# KiCad board Intro-to-CAD-2026 Shaina and Paola.kicad_pcb
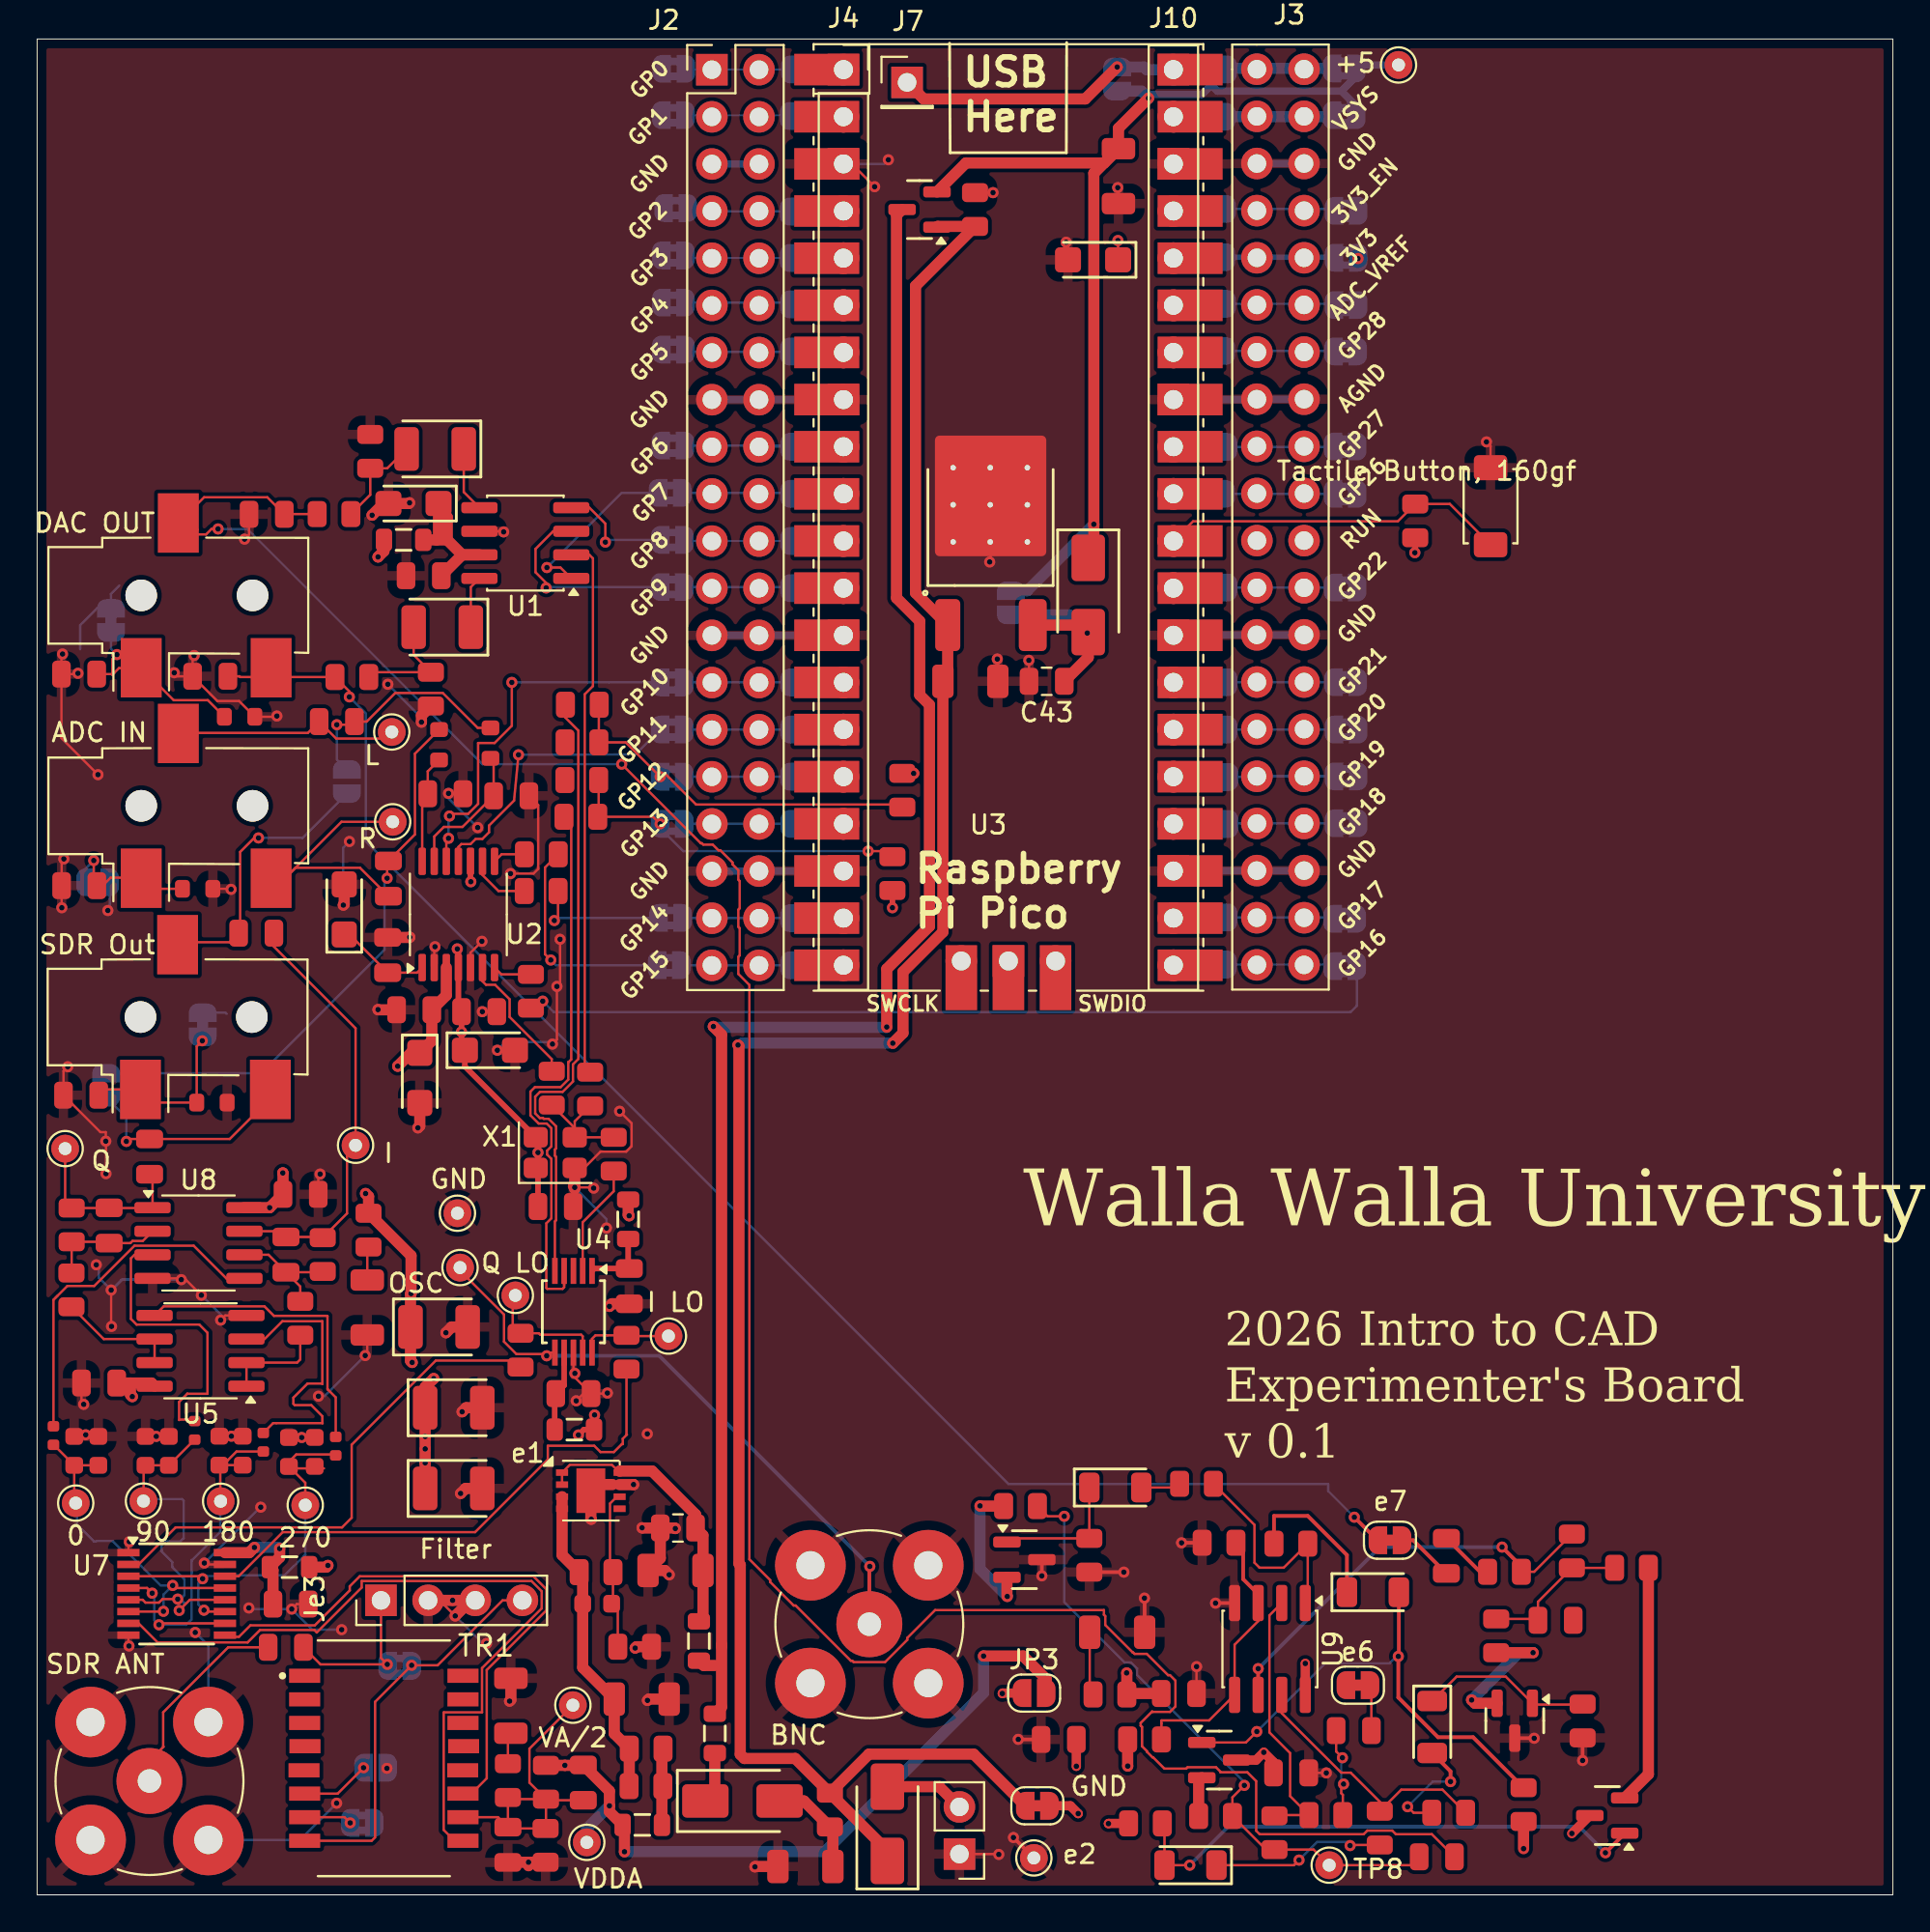
[diagram p0: board, top side]
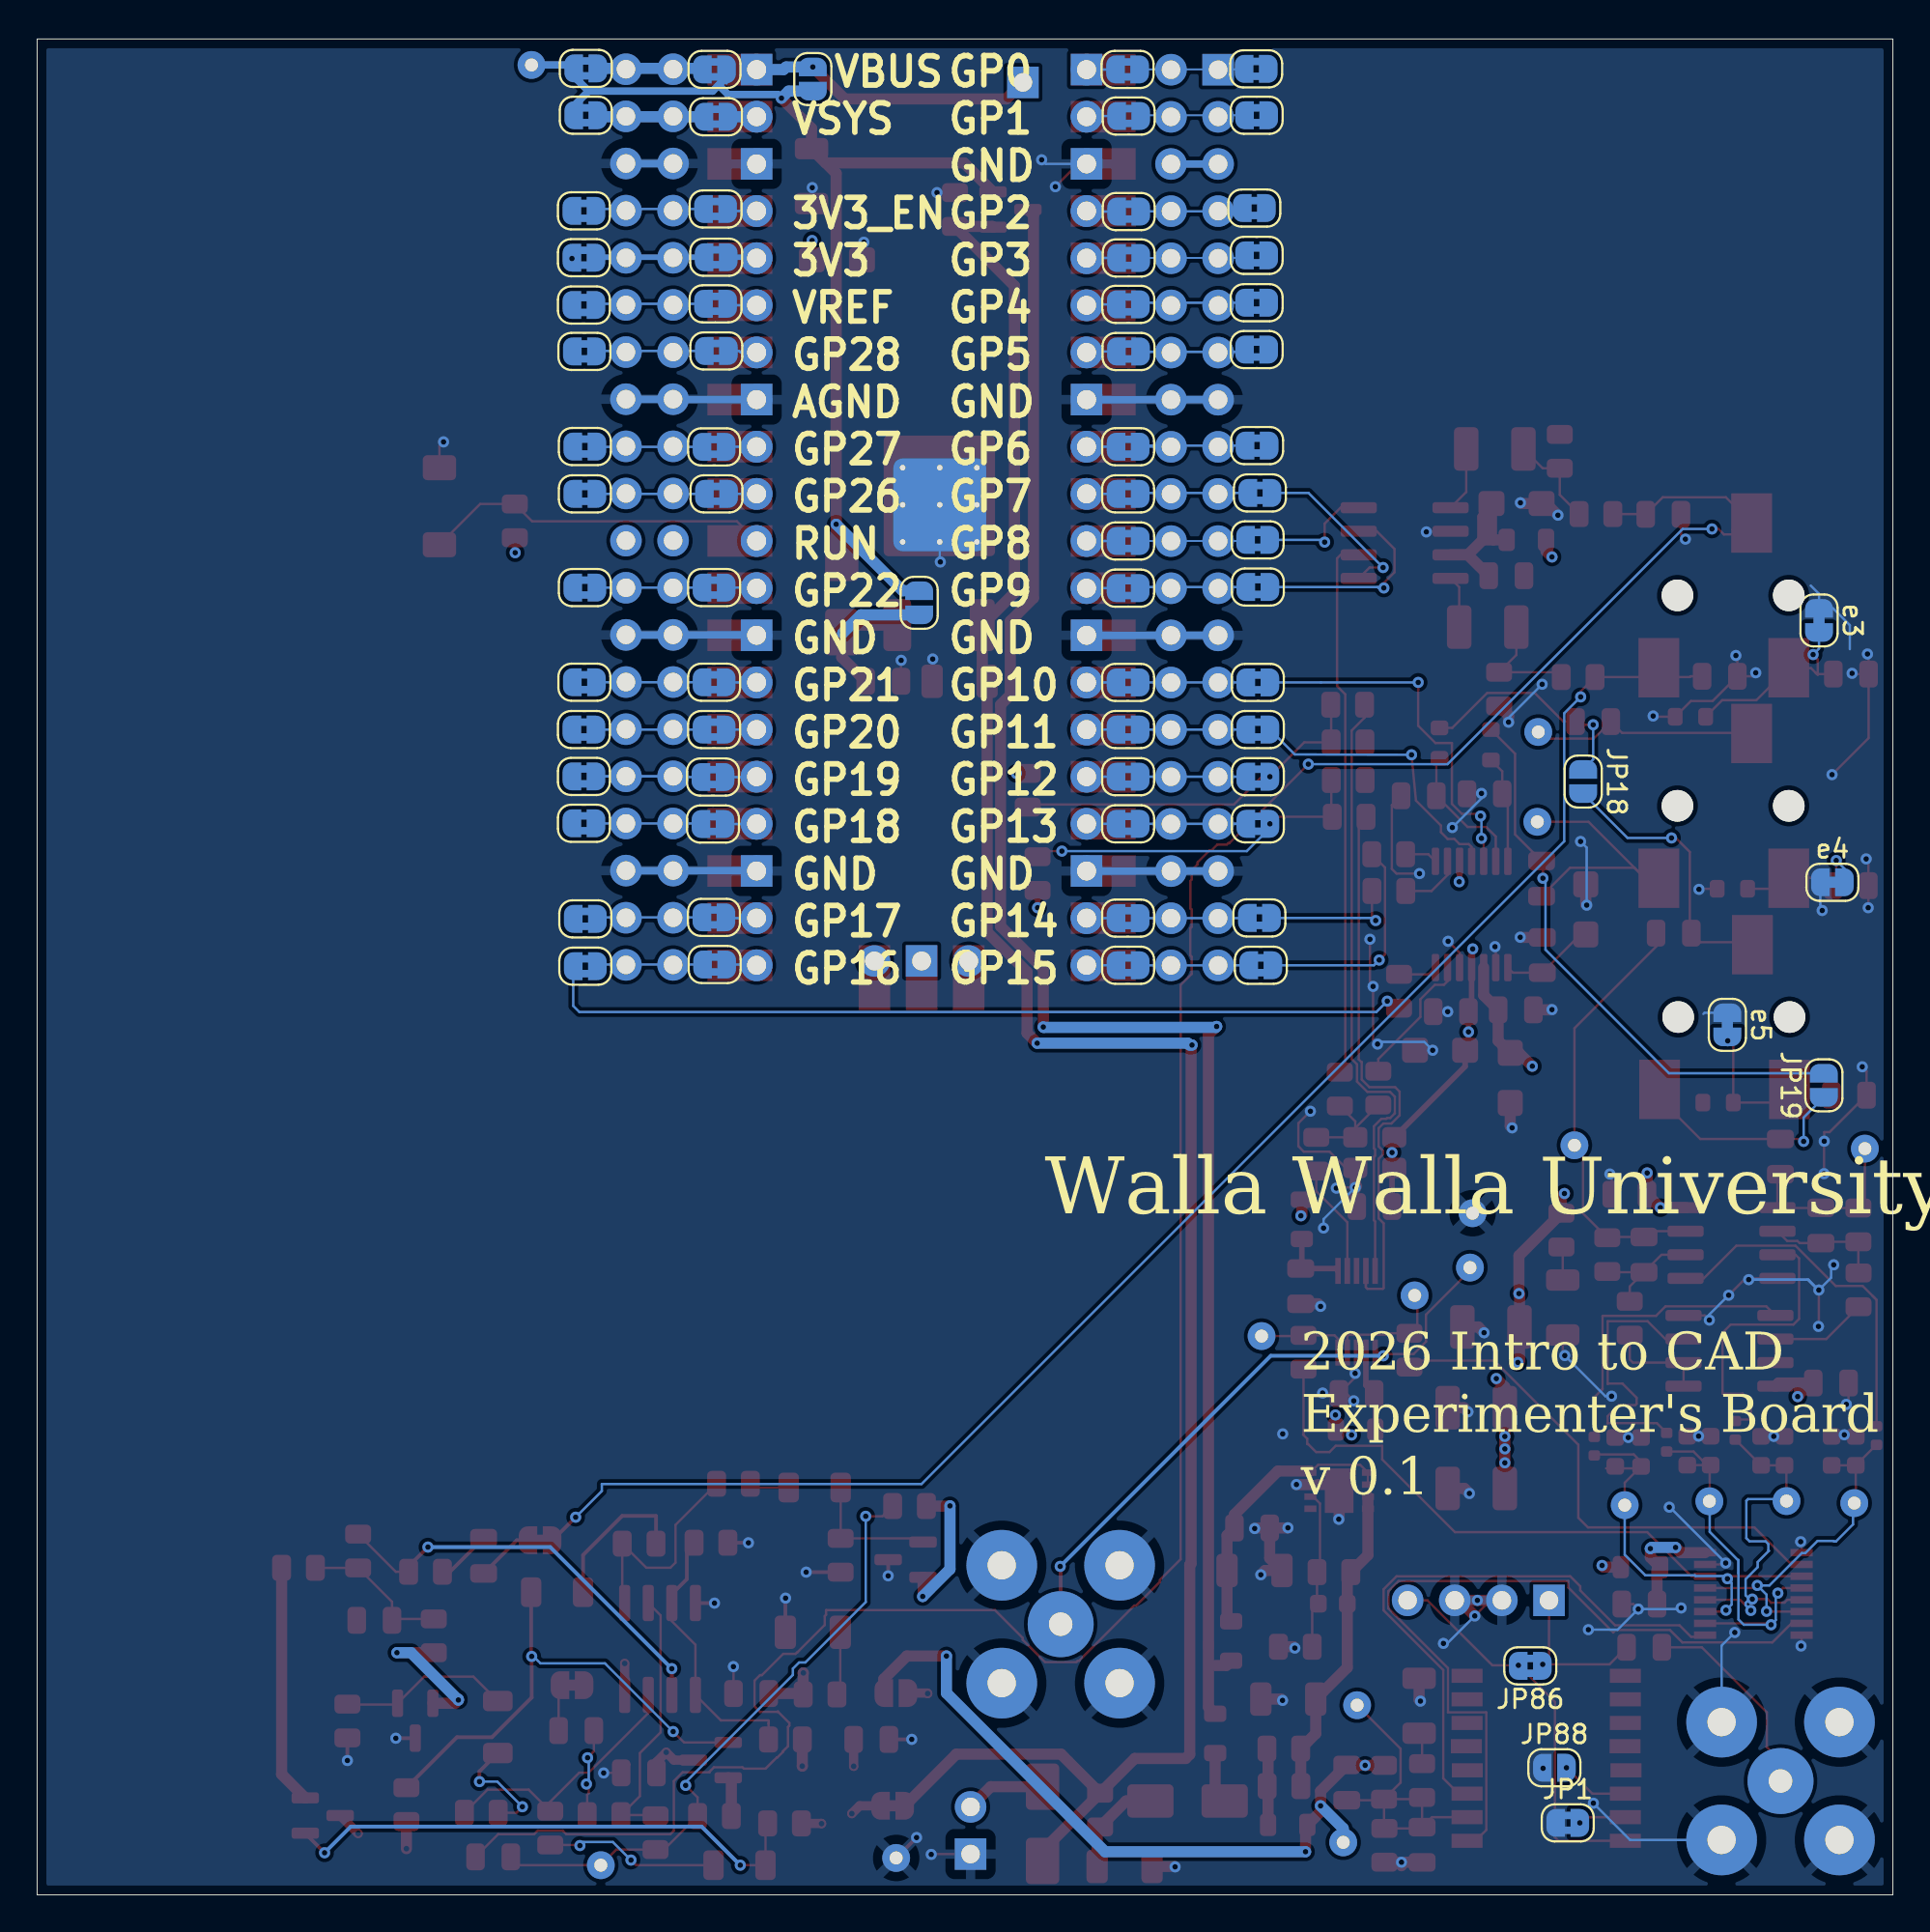
[diagram p1: board, bottom side, seen from below]

Outline 100 x 100 mm; copper layers: Top, In1.Cu, In2.Cu, Bottom. Coordinates in mm from the lower left corner of the outline.
Outline path: rectangle 0,100 100,0
Stack: Top 0.035mm / dielectric 0.1mm FR4 er 4.5 / In1.Cu 0.035mm / dielectric 1.24mm FR4 er 4.5 / In2.Cu 0.035mm / dielectric 0.1mm FR4 er 4.5 / Bottom 0.035mm

## Placement (name value [footprint] x y rotation side)
C1  100nF  [C_0805]  13.4 13.34 0 top
C2  10uF  [C_1206]  58.27 92.61 270 top
C3  1uF  [C_0805]  16.15 63.22 180 top
C4  1uF  [C_0805]  18.93 54.76 270 top
C5  10uF  [C_1206]  34.4 17.48 180 top
C6  2.2nF  [C_0805]  25.55 59.22 0 top
C7  2.2nF  [C_0805]  22 59.33 0 top
C8  10uF  [C_CASE-A-3216-18(mm)]  24.4 45.51 0 top
C9  10uF  [C_CASE-A-3216-18(mm)]  20.62 44.02 270 top
C10  100nF  [C_0805]  23.82 47.59 180 top
C11  100nF  [C_0805]  18.89 50.64 270 top
C12  100nF  [C_0805]  20.83 71.08 180 top
C13  100nF  [C_0805]  20.32 47.69 0 top
C14  10nF  [C_0603]  2 23.92 90 top
C15  100nF  [C_0805]  31.91 32.8 90 top
C16  10nF  [C_0603]  3.3 23.92 90 top
C17  100uF  [C_CASE-B-3528-21(mm)]  21.66 30.6 0 top
C18  100pF  [C_0805]  13.41 34.5 90 top
C19  10nF  [C_0603]  5.84 23.92 90 top
C20  100nF  [C_0805]  25.37 2.7 90 top
C21  1uF  [C_0805]  6.06 39.78 270 top
C22  10nF  [C_0603]  11.08 23.93 90 top
C23  100nF  [C_0805]  13.66 15.67 180 top
C24  10nF  [C_0603]  14.96 23.87 90 top  (not fitted)
C25  10nF  [C_0603]  7.1 23.92 90 top  (not fitted)
C26  10nF  [C_0603]  9.82 23.93 90 top  (not fitted)
C27  10nF  [C_0603]  13.57 23.86 90 top  (not fitted)
C28  100pF  [C_0805]  3.88 36.07 90 top
C29  1uF  [C_0805]  11.81 51.82 180 top
C30  100nF  [C_0805]  14.2 37.75 180 top
C31  100nF  [C_0805]  3.34 27.58 0 top
C32  100nF  [C_0805]  29.43 6.05 270 top
C33  10uF  [C_1206]  17.79 31.65 270 top
C34  10uF  [C_1206]  25.53 10.19 90 top
C35  10uF  [C_1206]  32.58 10.55 0 top
C36  100uF  [C_CASE-B-3528-21(mm)]  22.45 26.25 0 top
C37  100uF  [C_CASE-B-3528-21(mm)]  22.45 21.9 0 top
C38  100nF  [C_0805]  28.9 27.01 180 top
C39  10uF  [C_CASE-A-3216-18(mm)]  56.9 88.1 180 top
C40  4.7pF  [C_0603]  30.18 15.69 0 top
C41  10uF  [C_1206]  50.29 65.39 0 top
C42  10uF  [C_1206]  41.4 1.53 180 top
C43  0.1u  [C_0805_2012Metric]  54.4 65.39 180 top
C44  10uF  [C_CASE-A-3216-18(mm)]  16.55 53.1 90 top
C45  10uF  [C_CASE-A-3216-18(mm)]  20.28 74.97 180 top
C46  100uF  [C_CASE-B-3528-21(mm)]  21.45 77.91 180 top
C47  100uF  [C_CASE-B-3528-21(mm)]  21.83 68.31 180 top
C48  100nF  [C_0805]  27.94 37.09 0 top
C49  2.2nF  [C_0805]  12.37 74.39 180 top
C50  100nF  [C_0805]  2.26 65.78 0 top
C51  100nF  [C_0805]  2.27 54.38 0 top
C52  100nF  [C_0805]  2.37 43.09 0 top
C53  2.2nF  [C_0805]  9.33 65.66 180 top
C54  10uF  [C_1206]  58.2 14.15 0 top
C55  0.1u  [C_0805_2012Metric]  34.53 19.77 180 top
C56  100nF  [C_0805]  61.52 10.85 180 top
C57  10uF  [C_0805]  70.95 8.85 180 top
C58  10uF  [C_0805]  75.94 18.27 90 top
C59  10uF  [C_0805]  75.42 2.05 0 top
C60  10uF  [C_0805]  81.83 14.79 0 top
C61  100nF  [C_0805]  67.58 6.57 0 top
C63  10uF  [C_0805]  55.05 8.37 180 top
D1  SS14  [D_SMA]  38.01 5.06 0 top
D2  SS14  [D_SMA]  45.82 3.83 90 top
D3  SS14  [D_SMA]  56.64 70.04 270 top
D4  SM4007PL  [D_SOD-123FL]  71.98 16.31 0 top
D5  SM4007PL  [D_SOD-123FL]  58.1 21.95 0 top
D6  SM4007PL  [D_SOD-123FL]  62.15 1.6 180 top
D7  SM4007PL  [D_SOD-123FL]  75.17 9.04 270 top
e1  SGM2205-ADJXTDB8G/TR  [DFN-8-1EP_3x3mm_P0.65mm_EP1.55x2.4mm]  29.84 21.78 0 top
e2  ~  [SolderJumper-2_P1.3mm_Bridged_RoundedPad1.0x1.5mm]  53.9 4.8 180 top
e3  Groundloop_Insurance  [SolderJumper-2_P1.3mm_Bridged_RoundedPad1.0x1.5mm]  3.98 68.67 270 bottom
e4  Groundloop_Insurance  [SolderJumper-2_P1.3mm_Bridged_RoundedPad1.0x1.5mm]  3.26 54.56 180 bottom
e5  Groundloop_Insurance  [SolderJumper-2_P1.3mm_Bridged_RoundedPad1.0x1.5mm]  8.92 46.88 270 bottom
e6  ~  [SolderJumper-2_P1.3mm_Bridged_RoundedPad1.0x1.5mm]  71.17 11.3 0 top
e7  ~  [SolderJumper-2_P1.3mm_Bridged_RoundedPad1.0x1.5mm]  72.9 19.11 180 top
FB1  ~  [FB_0805]  28.95 25.07 180 top
FB2  ~  [FB_0805]  36.52 8.7 270 top
FB3  ~  [FB_0805]  13.6 17.66 0 top
FB4  ~  [FB_0805]  31.85 36.4 90 top
FB5  ~  [FB_0805]  32.61 3.77 180 top
FB6  ~  [FB_0805]  35.66 13.68 90 top
FB7  ~  [FB_0805]  19.75 73.01 180 top
J1  ADC IN  [Jack_3.5mm_CUI_SJ-3523-SMT_Horizontal]  9.61 58.68 90 top
J2  Conn_02x20_Counter_Clockwise  [PinSocket_2x20_P2.54mm_Vertical_pins1-20]  39.74 98.34 0 top  (not fitted)
J3  Conn_02x20_Counter_Clockwise  [PinSocket_2x20_P2.54mm_Vertical_Counterclockwise_pins21-40]  69.11 98.37 0 top  (not fitted)
J4  Conn_01x20_Socket  [PinSocket_1x20_P2.54mm_Vertical]  43.45 98.35 0 top  (not fitted)
J5  Conn_01x02  [PinHeader_1x02_P2.54mm_Vertical]  49.7 2.2 180 top  (not fitted)
J7  Conn_01x01_Pin  [PinHeader_1x01_P2.54mm_Vertical]  46.88 97.66 0 top  (not fitted)
J8  BNC  [BNC_TEConnectivity_1478204_Vertical]  44.84 14.58 180 top  (not fitted)
J9  DAC OUT  [Jack_3.5mm_CUI_SJ-3523-SMT_Horizontal]  9.61 70.02 90 top
J10  Conn_01x20_Socket  [PinSocket_1x20_P2.54mm_Vertical-pins21-40]  61.23 98.35 0 top  (not fitted)
J11  SDR ANT  [BNC_TEConnectivity_1478204_Vertical]  6.05 6.13 0 top  (not fitted)
J12  SDR Out  [Jack_3.5mm_CUI_SJ-3523-SMT_Horizontal]  9.57 47.3 90 top
Je3  Filter  [PinHeader_1x04_P2.54mm_Vertical]  18.53 15.87 90 top  (not fitted)
JP1  Jumper_2_Bridged  [SolderJumper-2_P1.3mm_Bridged2Bar_RoundedPad1.0x1.5mm]  17.52 3.88 180 bottom
JP2  ~  [SolderJumper-2_P1.3mm_Open_RoundedPad1.0x1.5mm]  52.47 69.62 90 bottom
JP3  ~  [SolderJumper-2_P1.3mm_Open_RoundedPad1.0x1.5mm]  53.73 10.87 0 top
JP18  GND_LP_SND  [SolderJumper-2_P1.3mm_Open_RoundedPad1.0x1.5mm]  16.69 59.99 270 bottom
JP19  GND_LP_SND  [SolderJumper-2_P1.3mm_Open_RoundedPad1.0x1.5mm]  3.72 43.62 90 bottom
JP20  Jumper_2_Bridged  [SolderJumper-2_P1.3mm_Bridged2Bar_RoundedPad1.0x1.5mm]  70.43 98.41 180 bottom
JP21  Jumper_2_Bridged  [SolderJumper-2_P1.3mm_Bridged2Bar_RoundedPad1.0x1.5mm]  70.43 95.89 180 bottom
JP22  Jumper_2_Bridged  [SolderJumper-2_P1.3mm_Bridged2Bar_RoundedPad1.0x1.5mm]  70.54 90.74 180 bottom
JP23  Jumper_2_Bridged  [SolderJumper-2_P1.3mm_Bridged2Bar_RoundedPad1.0x1.5mm]  70.54 88.21 180 bottom
JP24  Jumper_2_Bridged  [SolderJumper-2_P1.3mm_Bridged2Bar_RoundedPad1.0x1.5mm]  70.54 85.66 180 bottom
JP25  Jumper_2_Bridged  [SolderJumper-2_P1.3mm_Bridged2Bar_RoundedPad1.0x1.5mm]  70.51 83.16 180 bottom
JP26  Jumper_2_Bridged  [SolderJumper-2_P1.3mm_Bridged2Bar_RoundedPad1.0x1.5mm]  70.48 78.04 180 bottom
JP27  Jumper_2_Bridged  [SolderJumper-2_P1.3mm_Bridged2Bar_RoundedPad1.0x1.5mm]  70.48 75.49 180 bottom
JP28  Jumper_2_Bridged  [SolderJumper-2_P1.3mm_Bridged2Bar_RoundedPad1.0x1.5mm]  70.48 70.44 180 bottom
JP29  Jumper_2_Bridged  [SolderJumper-2_P1.3mm_Bridged2Bar_RoundedPad1.0x1.5mm]  70.51 65.34 180 bottom
JP30  Jumper_2_Bridged  [SolderJumper-2_P1.3mm_Bridged2Bar_RoundedPad1.0x1.5mm]  70.54 62.79 180 bottom
JP31  Jumper_2_Bridged  [SolderJumper-2_P1.3mm_Bridged2Bar_RoundedPad1.0x1.5mm]  70.54 60.26 180 bottom
JP32  Jumper_2_Bridged  [SolderJumper-2_P1.3mm_Bridged2Bar_RoundedPad1.0x1.5mm]  70.54 57.74 180 bottom
JP33  Jumper_2_Bridged  [SolderJumper-2_P1.3mm_Bridged2Bar_RoundedPad1.0x1.5mm]  70.46 52.59 180 bottom
JP34  Jumper_2_Bridged  [SolderJumper-2_P1.3mm_Bridged2Bar_RoundedPad1.0x1.5mm]  70.46 50.04 180 bottom
JP35  Jumper_2_Bridged  [SolderJumper-2_P1.3mm_Bridged2Bar_RoundedPad1.0x1.5mm]  63.5 98.36 180 bottom
JP36  Jumper_2_Bridged  [SolderJumper-2_P1.3mm_Bridged2Bar_RoundedPad1.0x1.5mm]  63.42 95.81 180 bottom
JP37  Jumper_2_Bridged  [SolderJumper-2_P1.3mm_Bridged2Bar_RoundedPad1.0x1.5mm]  63.44 90.84 180 bottom
JP38  Jumper_2_Bridged  [SolderJumper-2_P1.3mm_Bridged2Bar_RoundedPad1.0x1.5mm]  63.41 88.24 180 bottom
JP39  Jumper_2_Bridged  [SolderJumper-2_P1.3mm_Bridged2Bar_RoundedPad1.0x1.5mm]  63.44 85.73 180 bottom
JP40  Jumper_2_Bridged  [SolderJumper-2_P1.3mm_Bridged2Bar_RoundedPad1.0x1.5mm]  63.4 83.19 180 bottom
JP41  Jumper_2_Bridged  [SolderJumper-2_P1.3mm_Bridged2Bar_RoundedPad1.0x1.5mm]  63.52 78.02 180 bottom
JP42  Jumper_2_Bridged  [SolderJumper-2_P1.3mm_Bridged2Bar_RoundedPad1.0x1.5mm]  63.39 75.49 180 bottom
JP43  Jumper_2_Bridged  [SolderJumper-2_P1.3mm_Bridged2Bar_RoundedPad1.0x1.5mm]  63.52 70.44 180 bottom
JP44  Jumper_2_Bridged  [SolderJumper-2_P1.3mm_Bridged2Bar_RoundedPad1.0x1.5mm]  63.52 65.34 180 bottom
JP45  Jumper_2_Bridged  [SolderJumper-2_P1.3mm_Bridged2Bar_RoundedPad1.0x1.5mm]  63.52 62.79 180 bottom
JP46  Jumper_2_Bridged  [SolderJumper-2_P1.3mm_Bridged2Bar_RoundedPad1.0x1.5mm]  63.58 60.23 180 bottom
JP47  Jumper_2_Bridged  [SolderJumper-2_P1.3mm_Bridged2Bar_RoundedPad1.0x1.5mm]  63.58 57.7 180 bottom
JP48  Jumper_2_Bridged  [SolderJumper-2_P1.3mm_Bridged2Bar_RoundedPad1.0x1.5mm]  63.53 52.67 180 bottom
JP49  Jumper_2_Bridged  [SolderJumper-2_P1.3mm_Bridged2Bar_RoundedPad1.0x1.5mm]  63.49 50.13 180 bottom
JP50  USB Only  [SolderJumper-2_P1.3mm_Open_RoundedPad1.0x1.5mm]  58.2 97.84 270 bottom
JP51  Jumper_2_Bridged  [SolderJumper-2_P1.3mm_Bridged2Bar_RoundedPad1.0x1.5mm]  41.24 98.36 180 bottom
JP52  Jumper_2_Bridged  [SolderJumper-2_P1.3mm_Bridged2Bar_RoundedPad1.0x1.5mm]  41.18 95.85 180 bottom
JP53  Jumper_2_Bridged  [SolderJumper-2_P1.3mm_Bridged2Bar_RoundedPad1.0x1.5mm]  41.18 90.7 180 bottom
JP54  Jumper_2_Bridged  [SolderJumper-2_P1.3mm_Bridged2Bar_RoundedPad1.0x1.5mm]  41.18 88.2 180 bottom
JP55  Jumper_2_Bridged  [SolderJumper-2_P1.3mm_Bridged2Bar_RoundedPad1.0x1.5mm]  41.2 85.7 180 bottom
JP56  Jumper_2_Bridged  [SolderJumper-2_P1.3mm_Bridged2Bar_RoundedPad1.0x1.5mm]  41.19 83.16 180 bottom
JP57  Jumper_2_Bridged  [SolderJumper-2_P1.3mm_Bridged2Bar_RoundedPad1.0x1.5mm]  41.21 78.03 180 bottom
JP58  Jumper_2_Bridged  [SolderJumper-2_P1.3mm_Bridged2Bar_RoundedPad1.0x1.5mm]  41.21 75.49 180 bottom
JP59  Jumper_2_Bridged  [SolderJumper-2_P1.3mm_Bridged2Bar_RoundedPad1.0x1.5mm]  41.21 72.95 180 bottom
JP60  Jumper_2_Bridged  [SolderJumper-2_P1.3mm_Bridged2Bar_RoundedPad1.0x1.5mm]  41.21 70.41 180 bottom
JP61  Jumper_2_Bridged  [SolderJumper-2_P1.3mm_Bridged2Bar_RoundedPad1.0x1.5mm]  41.21 65.33 180 bottom
JP62  Jumper_2_Bridged  [SolderJumper-2_P1.3mm_Bridged2Bar_RoundedPad1.0x1.5mm]  41.21 62.79 180 bottom
JP63  Jumper_2_Bridged  [SolderJumper-2_P1.3mm_Bridged2Bar_RoundedPad1.0x1.5mm]  41.21 60.25 180 bottom
JP64  Jumper_2_Bridged  [SolderJumper-2_P1.3mm_Bridged2Bar_RoundedPad1.0x1.5mm]  41.21 57.71 180 bottom
JP65  Jumper_2_Bridged  [SolderJumper-2_P1.3mm_Bridged2Bar_RoundedPad1.0x1.5mm]  41.21 52.63 180 bottom
JP66  Jumper_2_Bridged  [SolderJumper-2_P1.3mm_Bridged2Bar_RoundedPad1.0x1.5mm]  41.21 50.09 180 bottom
JP67  Jumper_2_Bridged  [SolderJumper-2_P1.3mm_Bridged2Bar_RoundedPad1.0x1.5mm]  34.31 98.39 180 bottom
JP68  Jumper_2_Bridged  [SolderJumper-2_P1.3mm_Bridged2Bar_RoundedPad1.0x1.5mm]  34.29 95.89 180 bottom
JP70  Jumper_2_Bridged  [SolderJumper-2_P1.3mm_Bridged2Bar_RoundedPad1.0x1.5mm]  34.41 90.89 180 bottom
JP71  Jumper_2_Bridged  [SolderJumper-2_P1.3mm_Bridged2Bar_RoundedPad1.0x1.5mm]  34.29 88.34 180 bottom
JP72  Jumper_2_Bridged  [SolderJumper-2_P1.3mm_Bridged2Bar_RoundedPad1.0x1.5mm]  34.29 85.79 180 bottom
JP73  Jumper_2_Bridged  [SolderJumper-2_P1.3mm_Bridged2Bar_RoundedPad1.0x1.5mm]  34.29 83.26 180 bottom
JP74  Jumper_2_Bridged  [SolderJumper-2_P1.3mm_Bridged2Bar_RoundedPad1.0x1.5mm]  34.26 78.09 180 bottom
JP75  Jumper_2_Bridged  [SolderJumper-2_P1.3mm_Bridged2Bar_RoundedPad1.0x1.5mm]  34.11 75.54 180 bottom
JP76  Jumper_2_Bridged  [SolderJumper-2_P1.3mm_Bridged2Bar_RoundedPad1.0x1.5mm]  34.23 73.01 180 bottom
JP77  Jumper_2_Bridged  [SolderJumper-2_P1.3mm_Bridged2Bar_RoundedPad1.0x1.5mm]  34.22 70.47 180 bottom
JP78  Jumper_2_Bridged  [SolderJumper-2_P1.3mm_Bridged2Bar_RoundedPad1.0x1.5mm]  34.22 65.33 180 bottom
JP79  Jumper_2_Bridged  [SolderJumper-2_P1.3mm_Bridged2Bar_RoundedPad1.0x1.5mm]  34.22 62.79 180 bottom
JP80  Jumper_2_Bridged  [SolderJumper-2_P1.3mm_Bridged2Bar_RoundedPad1.0x1.5mm]  34.22 60.25 180 bottom
JP81  Jumper_2_Bridged  [SolderJumper-2_P1.3mm_Bridged2Bar_RoundedPad1.0x1.5mm]  34.22 57.71 180 bottom
JP82  Jumper_2_Bridged  [SolderJumper-2_P1.3mm_Bridged2Bar_RoundedPad1.0x1.5mm]  34.14 52.64 180 bottom
JP83  Jumper_2_Bridged  [SolderJumper-2_P1.3mm_Bridged2Bar_RoundedPad1.0x1.5mm]  34.06 50.09 180 bottom
JP86  Jumper_2_Bridged  [SolderJumper-2_P1.3mm_Bridged2Bar_RoundedPad1.0x1.5mm]  19.54 12.34 0 bottom
JP88  GND_LP_SND  [SolderJumper-2_P1.3mm_Open_RoundedPad1.0x1.5mm]  18.24 6.85 180 bottom
Q1  AO3401A  [Q_SOT-23]  47.55 90.81 180 top
Q2  FMMT591  [Q_SOT-23]  53.2 18.06 0 top
Q3  FMMT491  [Q_SOT-23]  63.7 7.26 0 top
Q4  FMMT491  [Q_SOT-23]  84.61 4.27 180 top
Q5  FMMT591  [Q_SOT-23]  79.62 9.38 270 top
R1  10kΩ  [R_0805]  27.42 6.07 90 top
R2  430Ω  [R_0603]  24.43 62.06 270 top
R3  430Ω  [R_0603]  21.66 61.97 270 top
R4  10kΩ  [R_0805]  27.4 2.67 90 top
R5  33kΩ  [R_0805]  30.12 17.39 180 top
R6  12kΩ  [R_0805]  32.2 13.37 0 top
R7  1Ω  [R_0805]  32.82 7.88 0 top
R8  47Ω  [R_0805]  14.18 31.07 90 top
R9  47Ω  [R_0805]  1.85 32.6 90 top
R10  1Ω  [R_0805]  25.37 6.16 90 top
R11  1Ω  [R_0805]  17.86 35.82 270 top
R12  10kΩ  [R_0805]  15.39 34.5 90 top
R13  10kΩ  [R_0805]  1.86 36.1 90 top
R14  10Ω  [R_0603]  8.65 54.21 0 top
R15  4.7kΩ  [R_0805]  46.62 59.52 270 top
R16  33Ω  [R_0805]  26.61 48.69 270 top
R17  33Ω  [R_0805]  27.17 56.07 0 top
R18  33Ω  [R_0805]  27.16 54.09 0 top
R19  10Ω  [R_0603]  10.91 63.48 0 top
R20  1Ω  [R_0805]  32.81 5.86 0 top
R21  1Ω  [R_0805]  42.72 4.57 90 top
R22  560Ω  [R_0805]  16 74.4 180 top
R23  4.7kΩ  [R_0805]  46.09 55.03 90 top
R24  100Ω  [R_0805]  29.38 64.13 0 top
R25  100Ω  [R_0805]  29.3 58.09 0 top
R26  100Ω  [R_0805]  29.35 60.07 0 top
R27  100Ω  [R_0805]  29.36 62.1 0 top
R28  100kΩ  [R_0805]  50.54 90.81 90 top
R29  20kΩ  [R_0805]  74.26 74.03 90 top
R30  10Ω  [R_0603]  9.42 42.69 0 top
R31  10kΩ  [R_0805]  21.22 64.97 270 top
R32  10kΩ  [R_0805]  17.95 77.78 90 top
R33  560Ω  [R_0805]  16.96 65.62 180 top
R34  33Ω  [R_0805]  29.8 43.42 270 top
R35  33Ω  [R_0805]  27.73 43.47 90 top
R36  33Ω  [R_0805]  31.07 39.91 90 top
R37  33Ω  [R_0805]  31.76 29.24 90 top
R38  33Ω  [R_0805]  26.05 29.35 90 top
R39  1Ω  [R_0805]  57.81 10.8 180 top
R40  1Ω  [R_0805]  63.5 4.25 180 top
R41  1Ω  [R_0805]  52.99 20.95 0 top
R42  1.5kΩ  [R_0805]  80.1 4.86 90 top
R43  1.5kΩ  [R_0805]  56.7 18.3 270 top
R44  1kΩ  [R_0805]  69.45 4.3 0 top
R45  10kΩ  [R_0805]  66.67 3.35 270 top
R46  1.5kΩ  [R_0805]  59.73 3.85 0 top
R47  1.5kΩ  [R_0805]  83.28 9.37 270 top
R48  1Ω  [R_0805]  85.92 17.62 0 top
R49  1Ω  [R_0805]  78.62 13.96 90 top
R50  10kΩ  [R_0805]  82.7 18.53 270 top
R51  10kΩ  [R_0805]  79.07 17.41 0 top
R52  2.2kΩ  [R_0805]  63.69 18.97 0 top
R53  2.2kΩ  [R_0805]  59.67 8.37 180 top
R54  27Ω  [R_0805]  72.35 3.6 90 top
R55  27Ω  [R_0805]  67.56 18.92 0 top
R56  27Ω  [R_0805]  76.06 4.42 180 top
R58  10Ω  [R_0402]  16.09 24.18 90 top
R59  10Ω  [R_0402]  8.49 25.03 90 top
R60  10Ω  [R_0402]  0.88 24.75 90 top
R61  10Ω  [R_0402]  12.19 24.39 90 top
R62  27Ω  [R_0805]  62.48 22.15 180 top
S1  Tactile Button, 160gf  [SW_TS-1088-AR02016]  78.32 74.82 90 top
TP1  L  [TestPoint_THTPad_D1.5mm_Drill0.7mm]  19.11 62.66 0 top
TP2  R  [TestPoint_THTPad_D1.5mm_Drill0.7mm]  19.16 57.82 0 top
TP3  I LO  [TestPoint_THTPad_D1.5mm_Drill0.7mm]  34.02 30.11 180 top
TP4  Q LO  [TestPoint_THTPad_D1.5mm_Drill0.7mm]  25.77 32.3 180 top
TP5  OSC  [TestPoint_THTPad_D1.5mm_Drill0.7mm]  22.79 33.8 180 top
TP6  180  [TestPoint_THTPad_D1.5mm_Drill0.7mm]  9.89 21.21 0 top
TP7  270  [TestPoint_THTPad_D1.5mm_Drill0.7mm]  14.45 21 0 top
TP8  V_R  [TestPoint_THTPad_D1.5mm_Drill0.7mm]  69.62 1.6 0 top
TP10  GND  [TestPoint_THTPad_D1.5mm_Drill0.7mm]  22.65 36.73 0 top
TP11  VA/2  [TestPoint_THTPad_D1.5mm_Drill0.7mm]  28.87 10.22 0 top
TP12  GND  [TestPoint_THTPad_D1.5mm_Drill0.7mm]  53.71 1.99 0 top
TP14  0  [TestPoint_THTPad_D1.5mm_Drill0.7mm]  2.08 21.11 0 top
TP16  90  [TestPoint_THTPad_D1.5mm_Drill0.7mm]  5.73 21.22 0 top
TP17  I  [TestPoint_THTPad_D1.5mm_Drill0.7mm]  17.16 40.39 0 top
TP18  Q  [TestPoint_THTPad_D1.5mm_Drill0.7mm]  1.51 40.21 0 top
TP25  +5  [TestPoint_THTPad_D1.5mm_Drill0.7mm]  73.36 98.6 0 top
TP26  VDDA  [TestPoint_THTPad_D1.5mm_Drill0.7mm]  29.62 2.83 0 top
TR1  H1102NLT  [XFMR_H1102NLT]  18.68 7.36 0 top
U1  CJC4334H  [SOIC-8_3.9x4.9mm_P1.27mm]  26.31 72.84 180 top
U2  PCM1808PWR  [TSSOP-14_4.4x5mm_P0.65mm]  22.7 52.83 90 top
U3  Pico  [RPi_Pico_SMD_TH]  52.34 74.22 0 top
U4  MS5351M  [MSOP-10_3x3mm_P0.5mm]  28.9 31.42 270 top
U5  OPA1612AxD  [SOIC-8_3.9x4.9mm_P1.27mm]  8.8 29.31 180 top
U6  L78M05ABDT-TR  [TO-252-2_L6.5-W6.1-P4.58-LS10.0-TL]  51.36 71.9 90 top
U7  SN74CBT3253  [SSOP-16_3.9x4.9mm_P0.635mm]  7.52 16.22 0 top
U8  OPA1612AxD  [SOIC-8_3.9x4.9mm_P1.27mm]  8.69 35.12 0 top
U9  OPA1612AxD  [SOIC-8_3.9x4.9mm_P1.27mm]  66.43 13.25 270 top
X1  YC24.576MUBCE2O  [Oscillator_SMD_Abracon_ASE-4Pin_3.2x2.5mm]  27.92 39.99 0 top
